# Altium PCB ESP32_LED_Matrix.PcbDoc
Units mm, origin at the board's own origin, x right, y up, seen from the top; angles counter-clockwise.
Board outline 83 x 52.3 mm, 2 copper layers (Top Layer, Bottom Layer), stack 1.671 mm thick; 164 components, 94 nets, 504 pads, 554 vias.
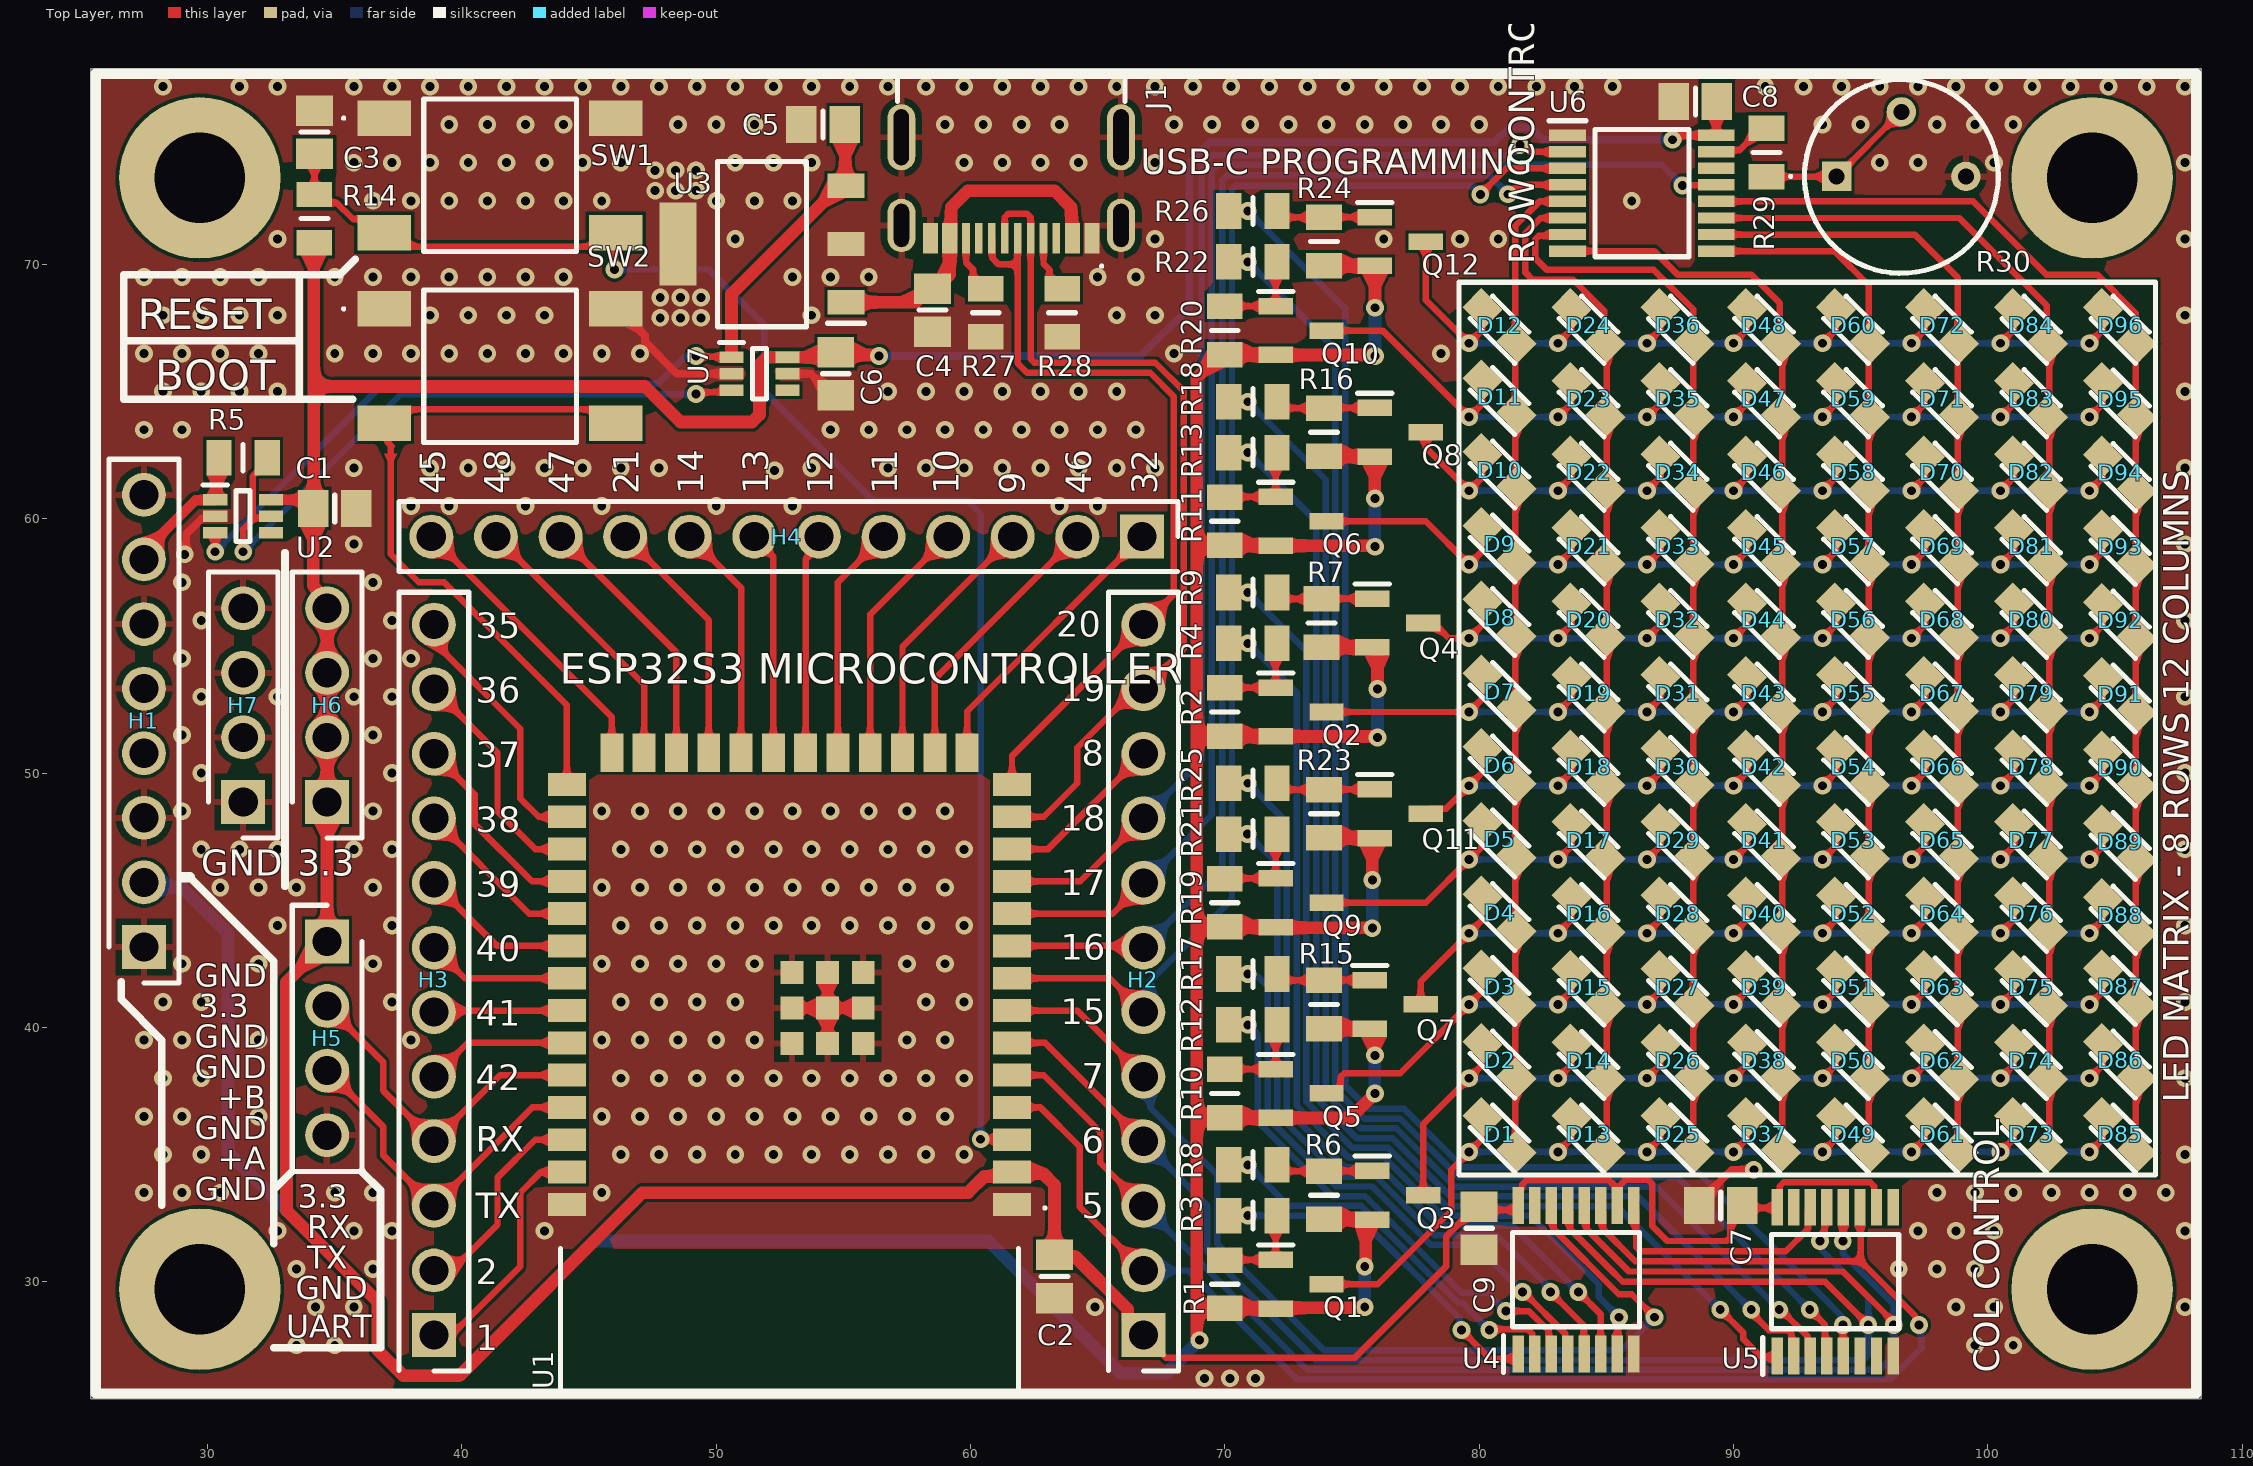
[diagram p0: Top Layer view]
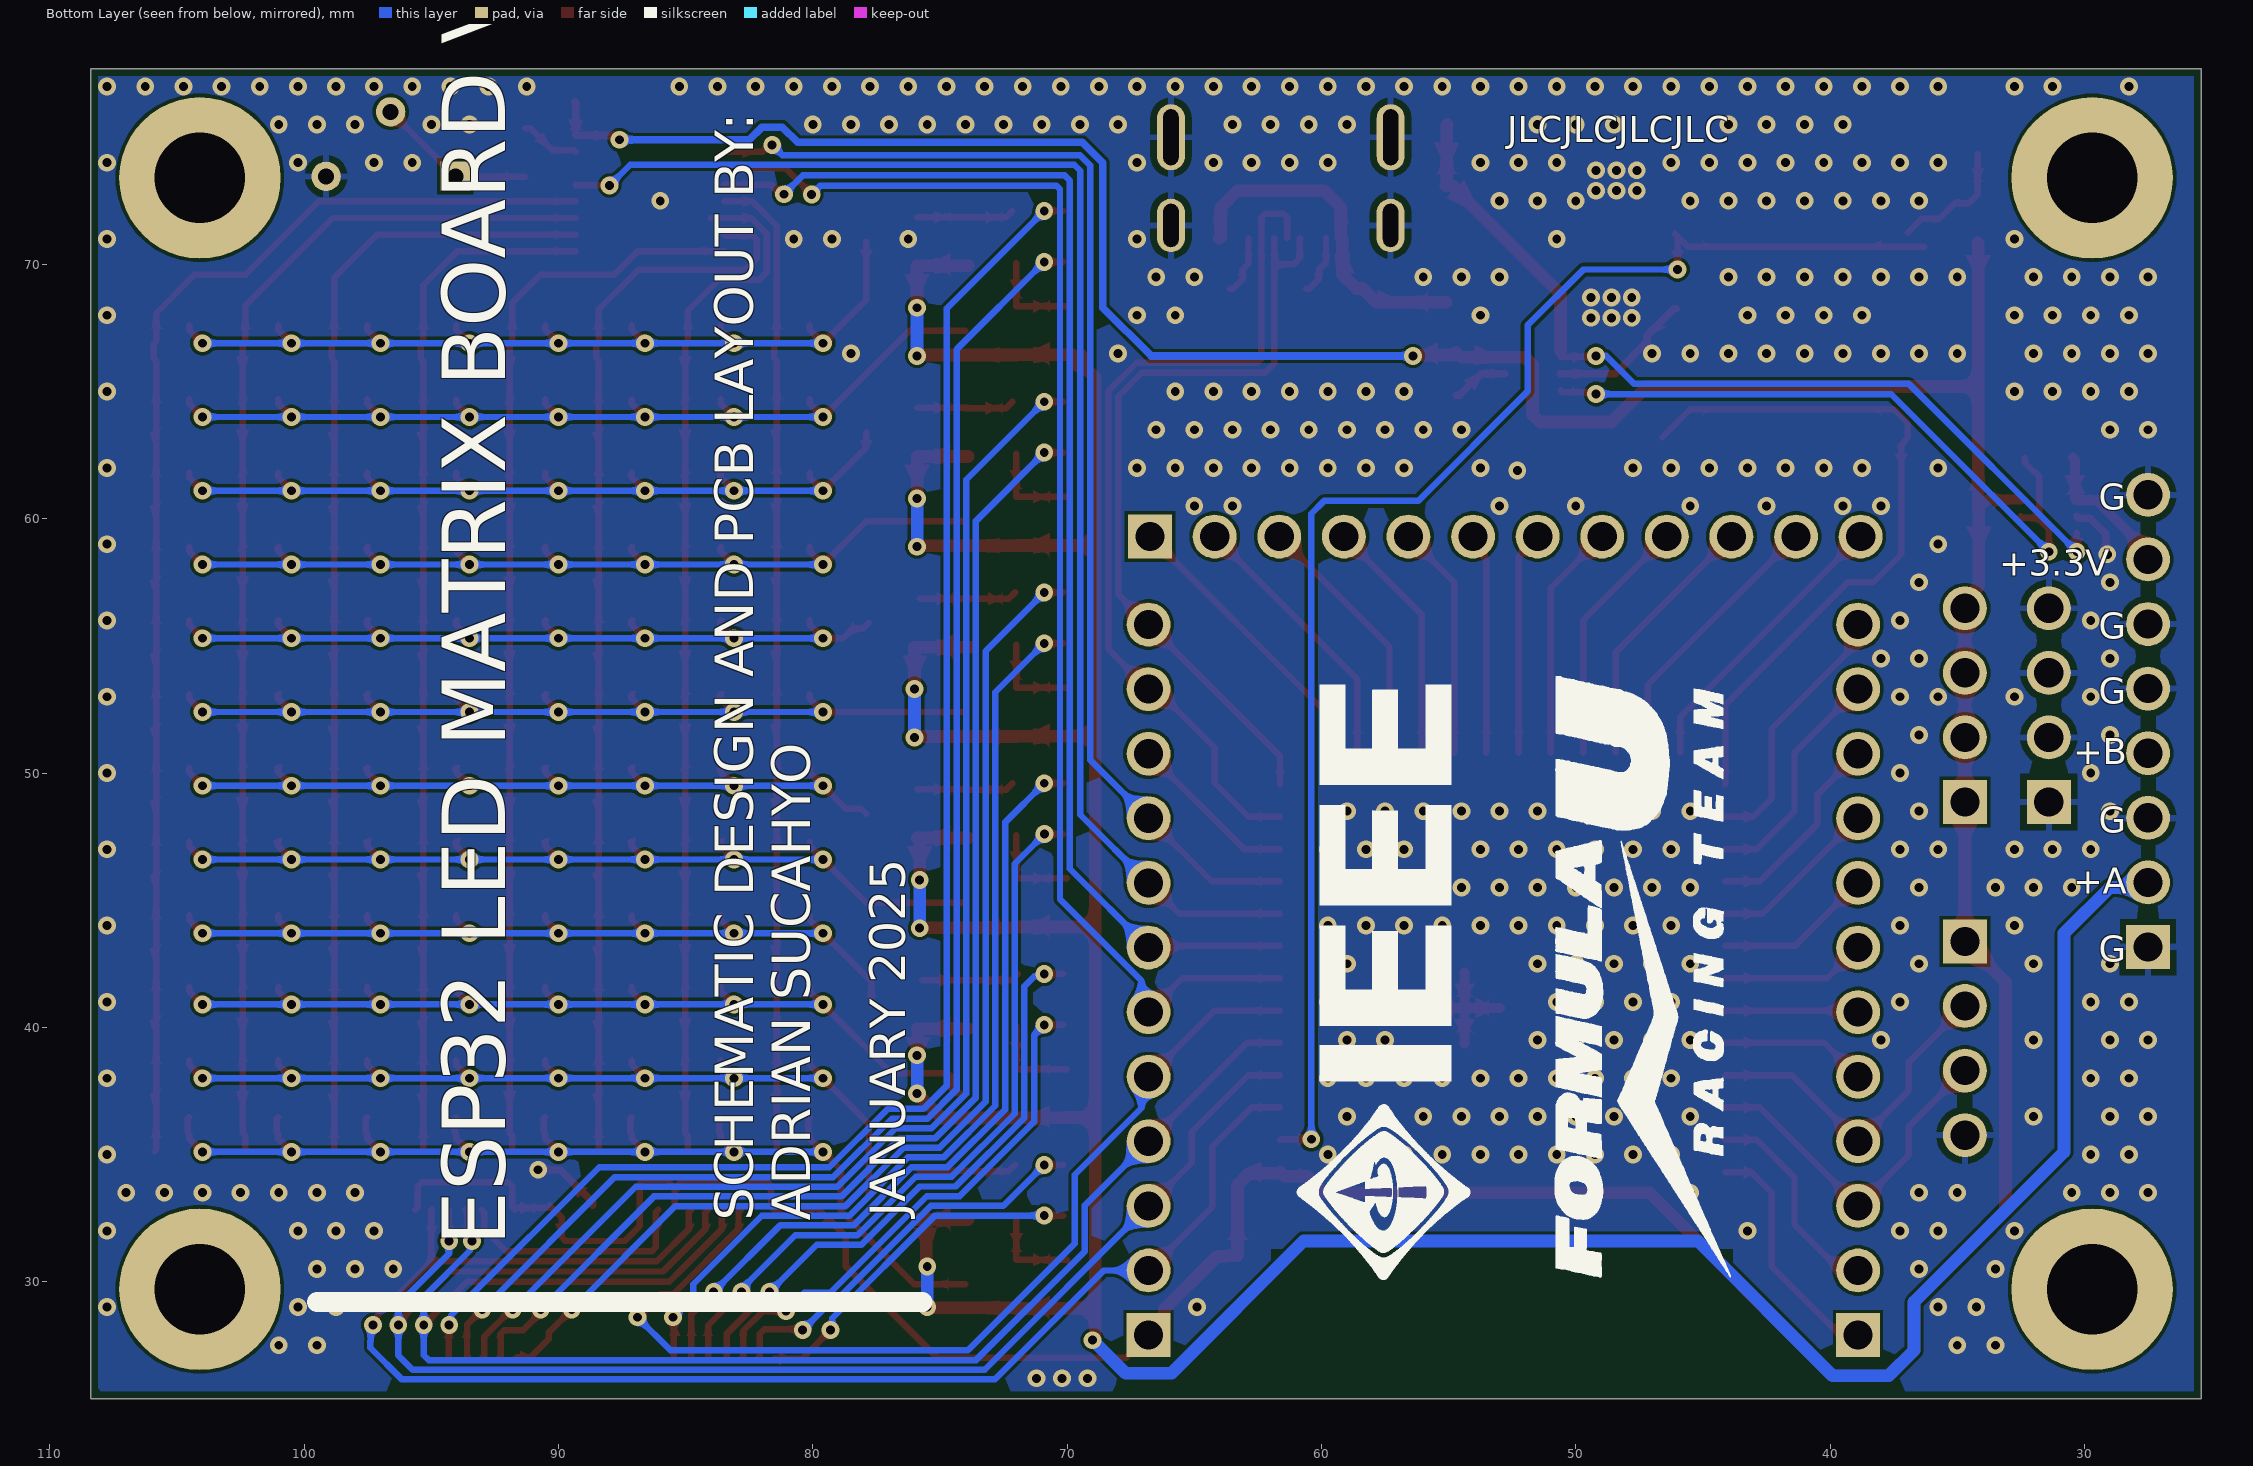
[diagram p1: Bottom Layer view, seen from below]
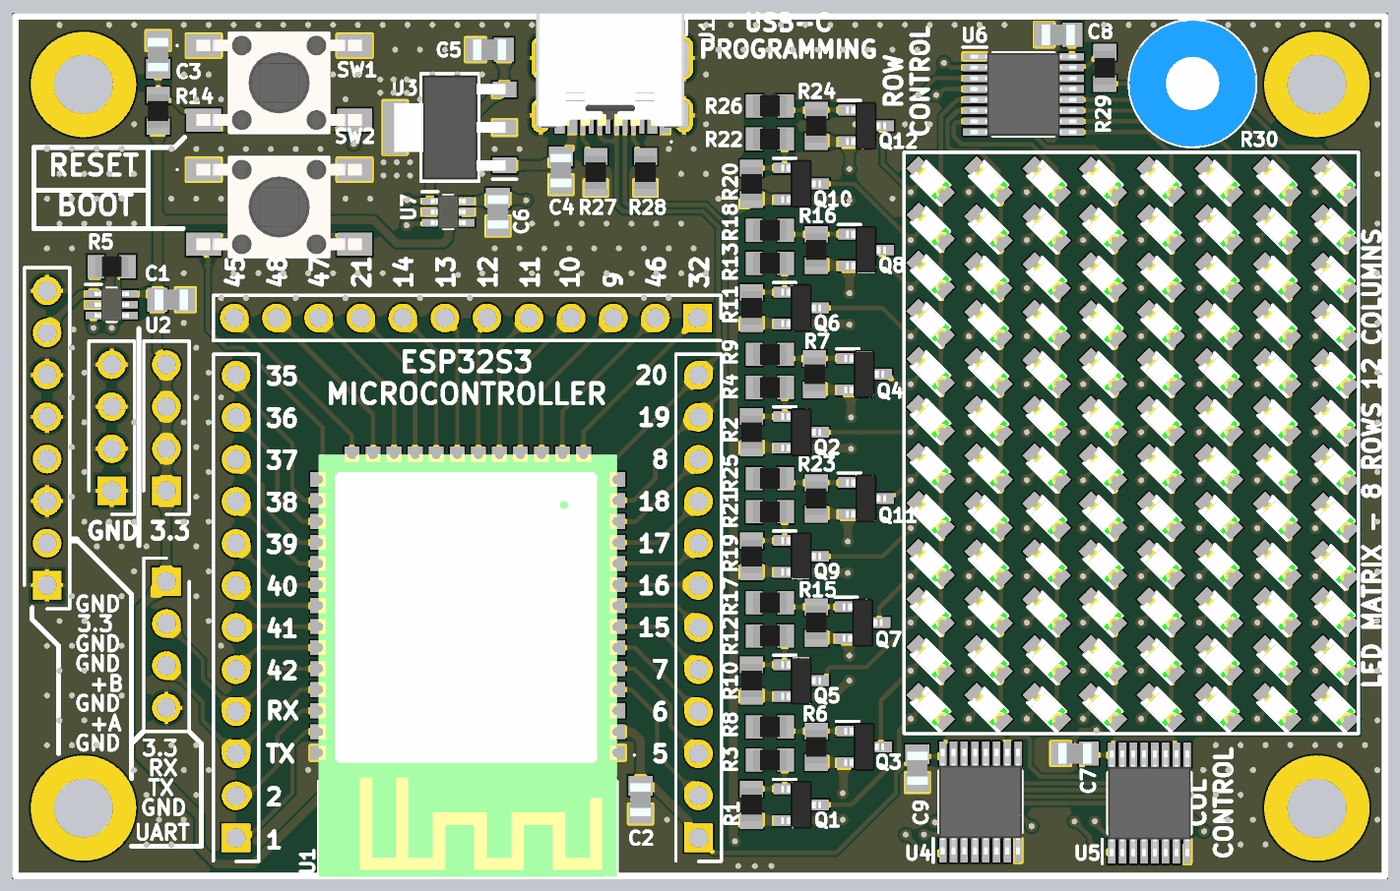
[diagram p2: 3D render of the assembled board from above, using the file's embedded part models]

## Layer stack, top to bottom
Top Solder: solder mask 0.0102, Solder Resist, Dk 3.5
Top Layer: signal copper 0.0356
Dielectric 1: dielectric 1.6, FR-4, Dk 4.8
Bottom Layer: signal copper 0.0356
Bottom Solder: solder mask 0.0102, Solder Resist, Dk 3.5

## Board outline
25.4,25.4 108.4,25.4 108.4,77.7 25.4,77.7

## Design rules (kind name [scope] priority, off if disabled: settings)
Clearance [All] p1: gap=0.127 ignorepadtopadclearanceinfootprint=TRUE
ComponentClearance [All] p1: gap=0 collisioncheckmode=3 verticalgap=0.05 showdistances=FALSE
DiffPairsRouting [All] p1: maxlimit=0.254 minlimit=0.127 mostfreqgap=0.254 toplayer_minwidth=0.1 toplayer_maxwidth=0.5 toplayer_prefwidth=0.381 bottomlayer_minwidth=0.1 bottomlayer_maxwidth=0.5 bottomlayer_prefwidth=0.381 maxuncoupledlength=12.7
HoleSize [All] p1: absolutevalues=TRUE maxlimit=15 minlimit=0.025 maxpercent=80.000 minpercent=20.000
MinimumSolderMaskSliver [All] p1: minsoldermaskwidth=0
PolygonConnect [All] p1: connectstyle=Relief reliefconductorwidth=0.254 reliefentries=4 polygonreliefangle="90 Angle" airgapwidth=0.254
RoutingVias [All] p1: holewidth=0.35 width=0.7 viastyle="Through Hole" minholewidth=0.3 minwidth=0.6 maxholewidth=1 maxwidth=2
SilkToSilkClearance [All] p1: silktosilkclearance=0
SilkToSolderMaskClearance [IsPad] p1: minsilkscreentomaskgap=0 clearancetoexposedcopper=TRUE
SolderMaskExpansion [All] p1: expansion=0.102 istentingtop=FALSE
SupplyNets "Schematic Supply Nets_9" [InNet('V_MCU')] p1: voltage=0.000
SupplyNets "Schematic Supply Nets_8" [InNet('VCC_2')] p2: voltage=0.000
SupplyNets "Schematic Supply Nets_7" [InNet('VCC_1')] p3: voltage=0.000
SupplyNets "Schematic Supply Nets_6" [InNet('GND')] p4: voltage=0.000
SupplyNets "Schematic Supply Nets_4" [InNet('+3.3')] p5: voltage=0.000
Width [All] p1: maxlimit=2 minlimit=0.1 preferedwidth=0.254
24 further rules are at their usual default settings.

## Components (designator, comment, footprint, x,y, rotation, side; value= is the part's Value field where it differs from the comment)
C1 "100n" CAP0805 35,60.4 r0 top
C2 "100n" CAP0805 63.3,30.2 r270 top
C3 "1u" CAP0805 34.2,75.2 r90 top
C4 "100n" CAP0805 58.5,68.2 r270 top
C5 "100n" CAP0805 54.2,75.5 r180 top
C6 "100n" CAP0805 54.7,65.7 r270 top
C7 "100n" CAP0805 89.5,33 r180 top
C8 "100n" CAP0805 88.5,76.4 r180 top
C9 "100n" CAP0805 80,32.1 r270 top
D1 "LED" LEDM2012X80N 80.8,35.8 r135 top
D2 "LED" LEDM2012X80N 80.8,38.7 r135 top
D3 "LED" LEDM2012X80N 80.8,41.6 r135 top
D4 "LED" LEDM2012X80N 80.8,44.5 r135 top
D5 "LED" LEDM2012X80N 80.8,47.4 r135 top
D6 "LED" LEDM2012X80N 80.8,50.3 r135 top
D7 "LED" LEDM2012X80N 80.8,53.2 r135 top
D8 "LED" LEDM2012X80N 80.8,56.1 r135 top
D9 "LED" LEDM2012X80N 80.8,59 r135 top
D10 "LED" LEDM2012X80N 80.8,61.9 r135 top
D11 "LED" LEDM2012X80N 80.8,64.8 r135 top
D12 "LED" LEDM2012X80N 80.8,67.6 r135 top
D13 "LED" LEDM2012X80N 84.3,35.8 r135 top
D14 "LED" LEDM2012X80N 84.3,38.691 r135 top
D15 "LED" LEDM2012X80N 84.3,41.582 r135 top
D16 "LED" LEDM2012X80N 84.3,44.473 r135 top
D17 "LED" LEDM2012X80N 84.3,47.364 r135 top
D18 "LED" LEDM2012X80N 84.3,50.255 r135 top
D19 "LED" LEDM2012X80N 84.3,53.145 r135 top
D20 "LED" LEDM2012X80N 84.3,56.036 r135 top
D21 "LED" LEDM2012X80N 84.3,58.927 r135 top
D22 "LED" LEDM2012X80N 84.3,61.818 r135 top
D23 "LED" LEDM2012X80N 84.3,64.709 r135 top
D24 "LED" LEDM2012X80N 84.3,67.6 r135 top
D25 "LED" LEDM2012X80N 87.8,35.8 r135 top
D26 "LED" LEDM2012X80N 87.8,38.691 r135 top
D27 "LED" LEDM2012X80N 87.8,41.582 r135 top
D28 "LED" LEDM2012X80N 87.8,44.473 r135 top
D29 "LED" LEDM2012X80N 87.8,47.364 r135 top
D30 "LED" LEDM2012X80N 87.8,50.255 r135 top
D31 "LED" LEDM2012X80N 87.8,53.145 r135 top
D32 "LED" LEDM2012X80N 87.8,56.036 r135 top
D33 "LED" LEDM2012X80N 87.8,58.927 r135 top
D34 "LED" LEDM2012X80N 87.8,61.818 r135 top
D35 "LED" LEDM2012X80N 87.8,64.709 r135 top
D36 "LED" LEDM2012X80N 87.8,67.6 r135 top
D37 "LED" LEDM2012X80N 91.2,35.8 r135 top
D38 "LED" LEDM2012X80N 91.2,38.691 r135 top
D39 "LED" LEDM2012X80N 91.2,41.582 r135 top
D40 "LED" LEDM2012X80N 91.2,44.473 r135 top
D41 "LED" LEDM2012X80N 91.2,47.364 r135 top
D42 "LED" LEDM2012X80N 91.2,50.255 r135 top
D43 "LED" LEDM2012X80N 91.2,53.145 r135 top
D44 "LED" LEDM2012X80N 91.2,56.036 r135 top
D45 "LED" LEDM2012X80N 91.2,58.927 r135 top
D46 "LED" LEDM2012X80N 91.2,61.818 r135 top
D47 "LED" LEDM2012X80N 91.2,64.709 r135 top
D48 "LED" LEDM2012X80N 91.2,67.6 r135 top
D49 "LED" LEDM2012X80N 94.7,35.8 r135 top
D50 "LED" LEDM2012X80N 94.7,38.691 r135 top
D51 "LED" LEDM2012X80N 94.7,41.582 r135 top
D52 "LED" LEDM2012X80N 94.7,44.473 r135 top
D53 "LED" LEDM2012X80N 94.7,47.364 r135 top
D54 "LED" LEDM2012X80N 94.7,50.255 r135 top
D55 "LED" LEDM2012X80N 94.7,53.145 r135 top
D56 "LED" LEDM2012X80N 94.7,56.036 r135 top
D57 "LED" LEDM2012X80N 94.7,58.927 r135 top
D58 "LED" LEDM2012X80N 94.7,61.818 r135 top
D59 "LED" LEDM2012X80N 94.7,64.709 r135 top
D60 "LED" LEDM2012X80N 94.7,67.6 r135 top
D61 "LED" LEDM2012X80N 98.2,35.8 r135 top
D62 "LED" LEDM2012X80N 98.2,38.691 r135 top
D63 "LED" LEDM2012X80N 98.2,41.582 r135 top
D64 "LED" LEDM2012X80N 98.2,44.473 r135 top
D65 "LED" LEDM2012X80N 98.2,47.364 r135 top
D66 "LED" LEDM2012X80N 98.2,50.255 r135 top
D67 "LED" LEDM2012X80N 98.2,53.145 r135 top
D68 "LED" LEDM2012X80N 98.2,56.036 r135 top
D69 "LED" LEDM2012X80N 98.2,58.927 r135 top
D70 "LED" LEDM2012X80N 98.2,61.818 r135 top
D71 "LED" LEDM2012X80N 98.2,64.709 r135 top
D72 "LED" LEDM2012X80N 98.2,67.6 r135 top
D73 "LED" LEDM2012X80N 101.7,35.8 r135 top
D74 "LED" LEDM2012X80N 101.7,38.691 r135 top
D75 "LED" LEDM2012X80N 101.7,41.582 r135 top
D76 "LED" LEDM2012X80N 101.7,44.473 r135 top
D77 "LED" LEDM2012X80N 101.7,47.364 r135 top
D78 "LED" LEDM2012X80N 101.7,50.255 r135 top
D79 "LED" LEDM2012X80N 101.7,53.145 r135 top
D80 "LED" LEDM2012X80N 101.7,56.036 r135 top
D81 "LED" LEDM2012X80N 101.7,58.927 r135 top
D82 "LED" LEDM2012X80N 101.7,61.818 r135 top
D83 "LED" LEDM2012X80N 101.7,64.709 r135 top
D84 "LED" LEDM2012X80N 101.7,67.6 r135 top
D85 "LED" LEDM2012X80N 105.2,35.8 r135 top
D86 "LED" LEDM2012X80N 105.2,38.7 r135 top
D87 "LED" LEDM2012X80N 105.2,41.6 r135 top
D88 "LED" LEDM2012X80N 105.2,44.4 r135 top
D89 "LED" LEDM2012X80N 105.2,47.3 r135 top
D90 "LED" LEDM2012X80N 105.2,50.2 r135 top
D91 "LED" LEDM2012X80N 105.2,53.1 r135 top
D92 "LED" LEDM2012X80N 105.2,56 r135 top
D93 "LED" LEDM2012X80N 105.2,58.9 r135 top
D94 "LED" LEDM2012X80N 105.2,61.8 r135 top
D95 "LED" LEDM2012X80N 105.2,64.7 r135 top
D96 "LED" LEDM2012X80N 105.2,67.6 r135 top
H1 "Header" Header_1X8 27.5,43.16 r90 top
H2 "Header" Header_1X12 66.8,27.9 r90 top
H3 "Header" Header_1X12 38.9,27.9 r90 top
H4 "Header" Header_1X12 66.74,59.3 r180 top
H5 "4-Pin Header" Header_1X4 34.7,43.38 r270 top
H6 "4-Pin Header" Header_1X4 34.7,48.86 r90 top
H7 "4-Pin Header" Header_1X4 31.4,48.86 r90 top
J1 "USB C" "USB TYPE C 12 PIN" 61.6,74.2 r180 top
Q1 "SI2305" SOT23 73,29.9 r270 top
Q2 "SI2305" SOT23 73,52.4 r270 top
Q3 "SI2305" SOT23 76.8,33.4 r270 top
Q4 "SI2305" SOT23 76.8,55.9 r270 top
Q5 "SI2305" SOT23 73,37.4 r270 top
Q6 "SI2305" SOT23 73,59.9 r270 top
Q7 "SI2305" SOT23 76.7,40.9 r270 top
Q8 "SI2305" SOT23 76.9,63.4 r270 top
Q9 "SI2305" SOT23 73,44.9 r270 top
Q10 "SI2305" SOT23 73,67.4 r270 top
Q11 "SI2305" SOT23 76.9,48.4 r270 top
Q12 "SI2305" SOT23 76.9,70.9 r270 top
R1 "100k" RESC0805 70,29.9 r90 top
R2 "100k" RESC0805 70,52.4 r90 top
R3 "10k" RESC0805 71.1,32.6 r0 top
R4 "10k" RESC0805 71.1,55.1 r0 top
R5 "10k" RESC0805 31.4,62.4 r180 top
R6 "100k" RESC0805 73.9,33.4 r90 top
R7 "100k" RESC0805 73.8,55.9 r90 top
R8 "10k" RESC0805 71.1,34.6 r0 top
R9 "10k" RESC0805 71.1,57.1 r0 top
R10 "100k" RESC0805 70,37.4 r90 top
R11 "100k" RESC0805 70,59.9 r90 top
R12 "10k" RESC0805 71.1,40.1 r0 top
R13 "10k" RESC0805 71.1,62.6 r0 top
R14 "10k" RESC0805 34.2,71.8 r90 top
R15 "100k" RESC0805 73.9,40.9 r90 top
R16 "100k" RESC0805 73.9,63.4 r90 top
R17 "10k" RESC0805 71.1,42.1 r0 top
R18 "10k" RESC0805 71.1,64.6 r0 top
R19 "100k" RESC0805 70,44.9 r90 top
R20 "100k" RESC0805 70,67.4 r90 top
R21 "10k" RESC0805 71.1,47.6 r0 top
R22 "10k" RESC0805 71.1,70.1 r0 top
R23 "100k" RESC0805 73.9,48.4 r90 top
R24 "100k" RESC0805 73.9,70.9 r90 top
R25 "10k" RESC0805 71.1,49.6 r0 top
R26 "10k" RESC0805 71.1,72.1 r0 top
R27 "5.11k" RESC0805 60.6,68.1 r90 top
R28 "5.11k" RESC0805 63.6,68.1 r90 top
R29 "1k" RESC0805 91.3,74.4 r270 top
R30 "50k" 3339P1103LF 94.06,73.46 r0 top
SW1 "TS04-66-73-BK-100-SMT" "Tactile Button 6.0mm x 6.0mm" 41.5,73.5 r0 top
SW2 "TS04-66-73-BK-100-SMT" "Tactile Button 6.0mm x 6.0mm" 41.5,66 r0 top
U1 "ESP32-S3-WROOM-1-N8" ESP32-S3-WROOM-1-N8 52.5,38.3 r180 top
U2 "LM66100DCKR" SC70-6 31.4,60.1 r0 top
U3 "AZ1117CH2-3.3TRG1" SOT223 51.8,70.8 r180 top
U4 "74HC595" TSSOP16 83.805,30.077 r90 top
U5 "74HC595" TSSOP16 94,30 r90 top
U6 "STP08DP05TTR" TSSOP16 86.4,72.8 r0 top
U7 "LM66100DCKR" SC70-6 51.7,65.7 r0 top

## Footprints (in the part's own frame and the unit in brackets; to place one, negate y for a bottom-side part, rotate by r counter-clockwise, add the part's x,y. Pads: shape width x height; smd on the part's side, far side on the other; paste and mask are expansions set on the pad)
3339P1103LF [mm]
  rect 1.155x1.155 hole 0.63: 1(0,0)
  round 1.155 hole 0.63: 2(2.54,2.54) 3(5.08,0)
  silkscreen extent -1.86,-3.81 6.35,3.81, body extent -1.27,-3.81 6.35,3.81, height 6.42
CAP0805 [mm] "Chip Capacitor, 2-Leads, Body 2.00x1.20mm, IPC Medium Density"
  rect 1.2x1.45 smd: 1(-0.85,0) 2(0.85,0)
  silkscreen extent 0,-0.53 0,0.53, body extent -1,-0.63 1,0.63, height 1.1
ESP32-S3-WROOM-1-N8 [mm]
  rect 1.5x0.9 smd: 1(-9.131,5.26) 2(-9.131,3.99) 3(-9.131,2.72) 4(-9.131,1.45) 5(-9.131,0.18) 6(-9.131,-1.09) 7(-9.131,-2.36) 8(-9.131,-3.63) 9(-9.131,-4.9) 10(-9.131,-6.17) 11(-9.131,-7.44) 12(-9.131,-8.71) 13(-9.131,-9.98) 14(-9.131,-11.25) 27(8.369,-11.25) 28(8.369,-9.98) 29(8.369,-8.71) 30(8.369,-7.44) 31(8.369,-6.17) 32(8.369,-4.9) 33(8.369,-3.63) 34(8.369,-2.36) 35(8.369,-1.09) 36(8.369,0.18) 37(8.369,1.45) 38(8.369,2.72) 39(8.369,3.99) 40(8.369,5.26)
  rect 0.9x1.5 smd: 15(-7.366,-12.5) 16(-6.096,-12.5) 17(-4.826,-12.5) 18(-3.556,-12.5) 19(-2.286,-12.5) 20(-1.016,-12.5) 21(0.254,-12.5) 22(1.524,-12.5) 23(2.794,-12.5) 24(4.064,-12.5) 25(5.334,-12.5) 26(6.604,-12.5)
  rect 0.9x0.9 smd: 41(-1.881,-2.46) 42(-1.881,-1.06) 43(-3.281,-1.06) 44(-3.281,-2.46) 45(-3.281,-3.86) 46(-1.881,-3.86) 47(-0.481,-3.86) 48(-0.481,-2.46) 49(-0.481,-1.06)
  silkscreen extent -10.48,5.35 8.62,12.75, body extent -9.38,-12.75 8.62,12.75, height 2.7
Header_1X4 [mm]
  rect 1.725x1.725 hole 1.15: 1(0,0)
  round 1.725 hole 1.15: 2(2.54,0) 3(5.08,0) 4(7.62,0)
  silkscreen extent -1.42,-1.37 9.04,1.37
Header_1X8 [mm]
  rect 1.725x1.725 hole 1.15: 1(0,0)
  round 1.725 hole 1.15: 2(2.54,0) 3(5.08,0) 4(7.62,0) 5(10.16,0) 6(12.7,0) 7(15.24,0) 8(17.78,0)
  silkscreen extent -1.42,-1.37 19.18,1.37
Header_1X12 [mm]
  rect 1.725x1.725 hole 1.15: 1(0,0)
  round 1.725 hole 1.15: 2(2.54,0) 3(5.08,0) 4(7.62,0) 5(10.16,0) 6(12.7,0) 7(15.24,0) 8(17.78,0) 9(20.32,0) 10(22.86,0) 11(25.4,0) 12(27.94,0)
  silkscreen extent -1.42,-1.37 29.21,1.37
LEDM2012X80N [mm]
  rect 1.2x1.05 smd: 1(-0.95,0) 2(0.95,0)
  silkscreen extent -1.47,-0.62 1,0.63, body extent -1,-0.62 1,0.62, height 0.7
RESC0805 [mm] "Chip Resistor, 2-Leads, Body 2.00x1.20mm, IPC Medium Density"
  rect 1x1.4 smd: 1(-0.95,0) 2(0.95,0)
  silkscreen extent 0,-0.53 0,0.53, body extent -1,-0.63 1,0.63, height 0.5
SC70-6 [mm]
  rect 0.95x0.45 smd: 1(-1.1,0.65) 2(-1.1,0) 3(-1.1,-0.65) 4(1.1,-0.65) 5(1.1,0) 6(1.1,0.65)
  silkscreen extent -1.58,-1 0.28,1.22, body extent -1.05,-1 1.05,1, height 1
SOT23 [mm]
  rect 0.65x1.35 smd: 1(-0.96,-1) 2(0.96,-1) 3(0,1)
  silkscreen extent -1.54,-1.68 -1.54,-0.33, body extent -1.45,-1.2 1.45,1.2, height 0.95
SOT223 [mm]
  rect 1.45x0.95 smd: 1(-3.3,2.29) 2(-3.3,0) 3(-3.3,-2.29)
  rect 1.45x3.25 smd: 4(3.3,0)
  silkscreen extent -4.03,-3.25 1.75,3.25, body extent -3.35,-3.15 3.35,3.15, height 1.8
"Tactile Button 6.0mm x 6.0mm" [mm]
  rect 2.1x1.4 smd: 1(-4.55,2.25) 2(4.55,2.25) 3(-4.55,-2.25) 4(4.55,-2.25)
  silkscreen extent -6.2,-3 3,3, body extent -5,-3 5,3, height 7.4
TSSOP16 [mm]
  rect 1.45x0.45 smd: 1(-2.925,2.275) 2(-2.925,1.625) 3(-2.925,0.975) 4(-2.925,0.325) 5(-2.925,-0.325) 6(-2.925,-0.975) 7(-2.925,-1.625) 8(-2.925,-2.275) 9(2.925,-2.275) 10(2.925,-1.625) 11(2.925,-0.975) 12(2.925,-0.325) 13(2.925,0.325) 14(2.925,0.975) 15(2.925,1.625) 16(2.925,2.275)
  silkscreen extent -3.65,-2.5 1.85,2.85, body extent -3.2,-2.5 3.2,2.5, height 1.2
"USB TYPE C 12 PIN" [mm]
  oval 1.1x2.6 hole 0.6 slot 2.2 at 90 deg: 1(-4.32,-0.8) 16(4.32,-0.8)
  oval 1.1x2.1 hole 0.6 slot 1.7 at 90 deg: 2(-4.318,2.667) 15(4.318,2.667)
  rect 0.6x1.2 smd: 3(3.175,3.175) 4(2.413,3.175) 13(-2.413,3.175) 14(-3.175,3.175)
  rect 0.3x1.2 smd: 5(1.778,3.175) 6(1.27,3.175) 7(0.762,3.175) 8(0.254,3.175) 9(-0.254,3.175) 10(-0.762,3.175) 11(-1.27,3.175) 12(-1.778,3.175)
  silkscreen extent -4.47,-3.4 4.47,4.32, body extent -4.34,-3.47 4.6,3.43, height 3.26

## Part data
C1 C2 C3 C4 C5 C6 C7 C8 C9: library part "Capacitor - Non Polarized", "Non Polarized Capacitor"
D1 D2 D3 D4 D5 D6 D7 D8 D9 D10 D11 D12 D13 D14 D15 D16 D17 D18 D19 D20 D21 D22 D23 D24 D25 D26 D27 D28 D29 D30 D31 D32 D33 D34 D35 D36 D37 D38 D39 D40 D41 D42 D43 D44 D45 D46 D47 D48 D49 D50 D51 D52 D53 D54 D55 D56 D57 D58 D59 D60 D61 D62 D63 D64 D65 D66 D67 D68 D69 D70 D71 D72 D73 D74 D75 D76 D77 D78 D79 D80 D81 D82 D83 D84 D85 D86 D87 D88 D89 D90 D91 D92 D93 D94 D95 D96: "General Purpose LED", ComponentLink1Description=Datasheet, ComponentLink1URL=https://www.smc-diodes.com/propdf/1N4148W%20N0571%20REV.E.pdf
H1: library part "8-Pin Header", "8-Pin Header", System=Connector
H2 H3 H4: library part "12-Pin Header", "12-Pin Header"
J1: library part "USB Type C Connector 12 Pin"
Q1 Q2 Q3 Q4 Q5 Q6 Q7 Q8 Q9 Q10 Q11 Q12: "General Purpose P-Channel MOSFET", ComponentLink1Description=Datasheet, ComponentLink1URL=https://www.vishay.com/docs/64847/si2305cd.pdf
R1 R2 R3 R4 R5 R6 R7 R8 R9 R10 R11 R12 R13 R14 R15 R16 R17 R18 R19 R20 R21 R22 R23 R24 R25 R26 R27 R28 R29: library part Resistor, "Resistor"
R30: library part Potentiometer, "Potentionmeter"
SW1 SW2: "Switch", Manufacturer_Name="Same Sky", Mouser Part Number=179-TS046673BK100SMT, Arrow Part Number=TS04-66-73-BK-100-SMT, Arrow Price/Stock=https://www.arrow.com/en/products/ts04-66-73-bk-100-smt/cui-devices?utm_currency=USD&region=nac, Datasheet Link=https://www.sameskydevices.com/product/resource/supplyframepdf/ts04.pdf, Height=7.6mm, Manufacturer_Part_Number=TS04-66-73-BK-100-SMT, Mouser Price/Stock=https://www.mouser.co.uk/ProductDetail/Same-Sky/TS04-66-73-BK-100-SMT?qs=A6eO%252BMLsxmRAmp3wqRUzZw%3D%3D
U1: "ESP32 Microcontroller with Bluetooth and Wifi"
U2 U7: "5.5-V, 1.5-A 79-mΩ, Low IQ Ideal Diode With Input Polarity Protection", Manufacturer_Name="Texas Instruments", Mouser Part Number=595-LM66100DCKR, Arrow Part Number=LM66100DCKR, Arrow Price/Stock=https://www.arrow.com/en/products/lm66100dckr/texas-instruments?region=nac, Datasheet Link=http://www.ti.com/lit/gpn/LM66100, Height=1.1mm, Manufacturer_Part_Number=LM66100DCKR, Mouser Price/Stock=https://www.mouser.co.uk/ProductDetail/Texas-Instruments/LM66100DCKR?qs=vLWxofP3U2y2yPPrXoBBoA%3D%3D
U3: library part AZ1117CH2-3.3TRG1_1, "3.3V Linear Voltage Regulator"
U4 U5: "Shift Register"
U6: "LED Driver", Manufacturer_Name=STMicroelectronics, Mouser Part Number=511-STP08DP05TTR, Arrow Part Number=STP08DP05TTR, Arrow Price/Stock=https://www.arrow.com/en/products/stp08dp05ttr/stmicroelectronics?region=nac, Datasheet Link=https://componentsearchengine.com/Datasheets/2/STP08DP05TTR.pdf, Height=1.2mm, Manufacturer_Part_Number=STP08DP05TTR, Mouser Price/Stock=https://www.mouser.co.uk/ProductDetail/STMicroelectronics/STP08DP05TTR?qs=xgiOkRdDJ0m7T%2FaY25F5vQ%3D%3D

## Free pads (board coordinates)
  round 6.35 hole 3.556: 7(29.7,29.7) 7(29.7,73.4) 7(104.1,29.7) 7(104.1,73.4)

## Via types
v1: diameter 0.7, hole 0.35, Top Layer to Bottom Layer, tented both sides, 554 vias
